# Allegro board meta_carrier_lay_rev1.brd (continued)
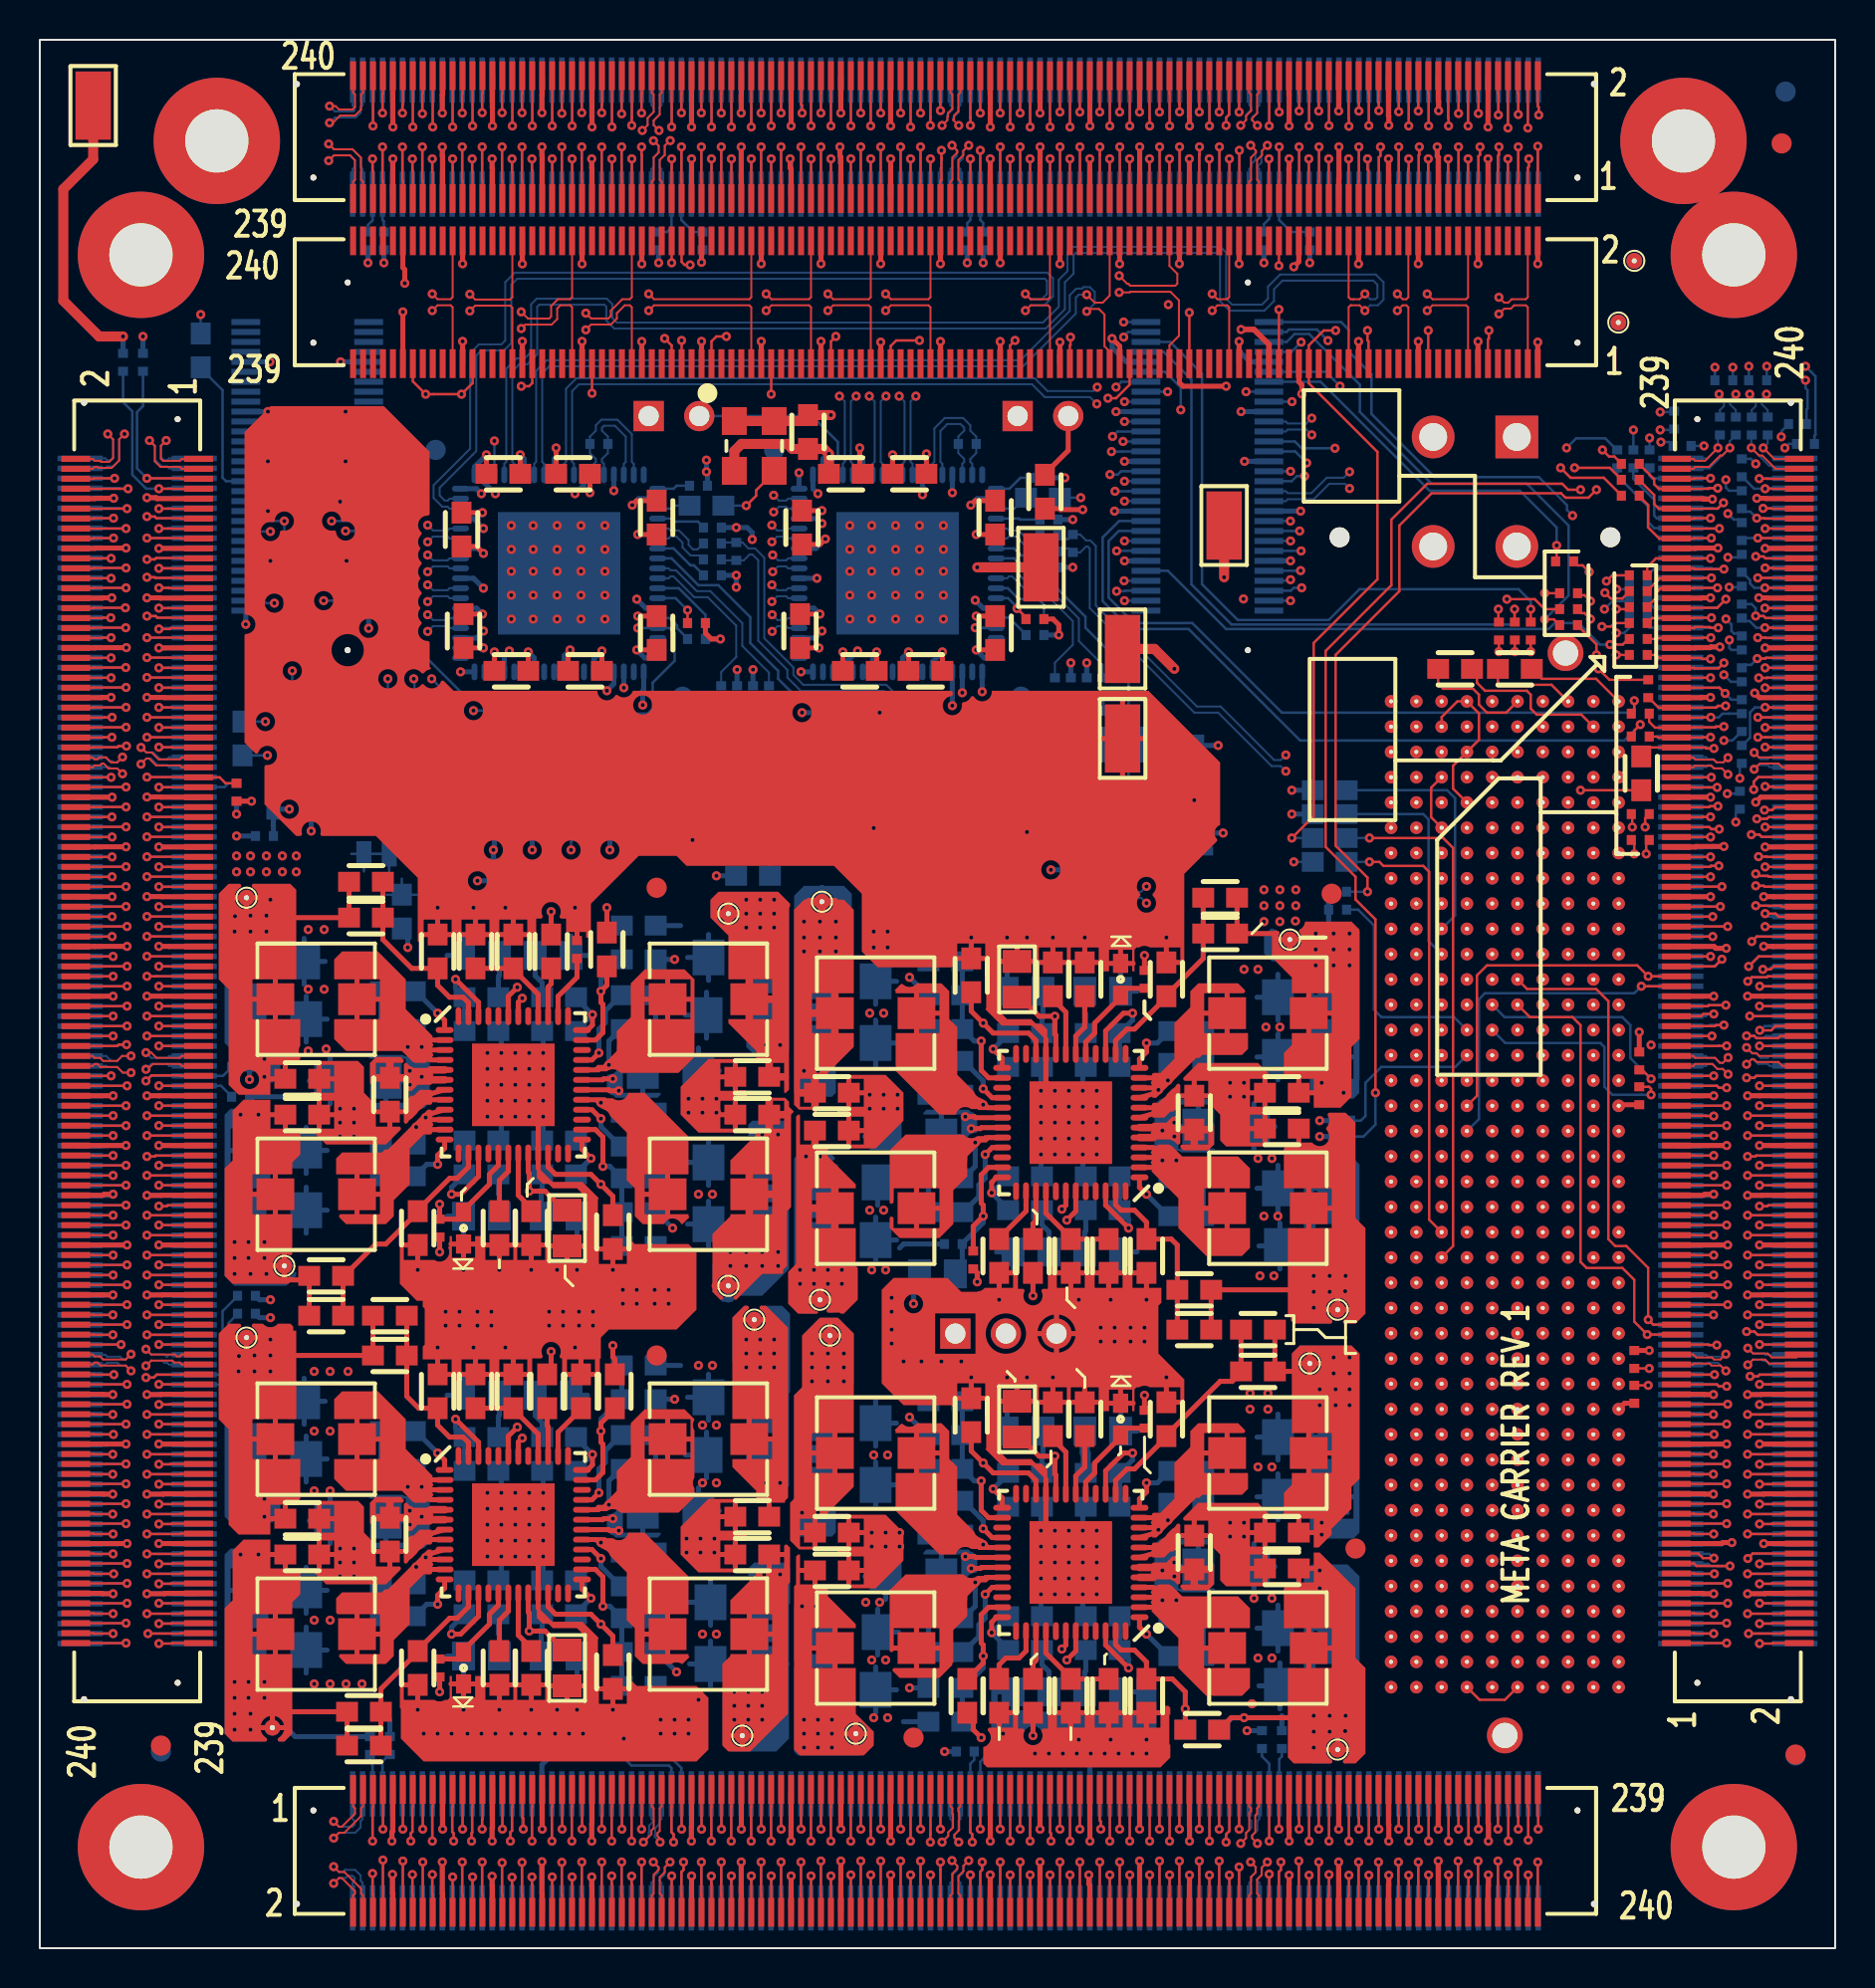
[diagram p0: board, top side]
## Routing (per net, layer and track width the routed paths; a pad name or vN(x,y) marks a point on that pad's centre or on a via; arc(x,y) is an arc through that point) (continued)
VDDA_Q1: length 3.2
  TOP w0.254: U2.19 24.03,37.83 24.68,37.18 C39.1
VDDA_Q2: length 3.2
  TOP w0.254: C51.1 50.88,25.58 51.53,24.93 U5.19
VDDA_Q4: length 3.2
  TOP w0.254: C64.1 24.68,15.08 24.03,15.73 U4.19
VDDA_Q8: length 3.2
  TOP w0.254: C26.1 50.88,47.68 51.53,47.03 U3.19
VDDD_Q1: length 27
  TOP w0.254: U2.20 24.53,38.99 24.58,38.94 v1(24.58,38.04) 25.37,38.04 26.33,37.08 C40.1 ; v1(20.08,34.98) R17.2 ; v1(25.68,52.08) R11.2
  SIGNAL_L10 w0.254: v1(25.68,52.08) 26.48,51.28 26.48,39.94 v1(24.58,38.04) 21.52,34.98 v1(20.08,34.98)
VDDD_Q2: length 29
  TOP w0.254: U5.20 51.03,23.77 50.98,23.82 v1(50.98,24.72) 50.19,24.72 49.23,25.68 C50.1 ; v1(49.88,10.68) R38.2 ; v1(55.48,27.78) R33.2
  SIGNAL_L3 w0.254: v1(49.88,10.68) 54.18,14.98 54.18,21.52 v1(50.98,24.72) 52.24,25.98 53.68,25.98 v1(55.48,27.78)
VDDD_Q4: length 26.9
  TOP w0.254: C65.1 26.33,14.98 25.37,15.94 v1(24.58,15.94) 24.58,16.84 24.53,16.89 U4.20 ; R30.2 25.68,29.03 v1(25.68,29.98) ; v1(20.08,12.88) R36.2
  SIGNAL_L3 w0.254: v1(20.08,12.88) 21.52,12.88 v1(24.58,15.94) 26.18,17.54 26.18,29.48 v1(25.68,29.98)
VDDD_Q8: length 26.7
  TOP w0.254: U3.20 51.03,45.87 50.98,45.92 v1(50.98,46.82) 50.19,46.82 49.23,47.78 C25.1 ; v1(49.88,32.78) R19.2 ; v1(55.48,49.88) R12.2
  SIGNAL_L10 w0.254: v1(55.48,49.88) 54.04,49.88 v1(50.98,46.82) 49.48,45.32 49.48,33.18 v1(49.88,32.78)
VDDG_Q1: length 3.1
  TOP w0.254: U2.18 23.53,39.03 23.08,38.58 C38.1
VDDG_Q2: length 3.1
  TOP w0.254: C52.1 52.48,24.18 52.03,23.73 U5.18
VDDG_Q4: length 3.1
  TOP w0.254: C63.1 23.08,16.48 23.53,16.93 U4.18
VDDG_Q8: length 3.1
  TOP w0.254: C27.1 52.48,46.28 52.03,45.83 U3.18
1P8V: length 49.8
  TOP w0.254: C9.1 21.93,70.43 v1(22.28,70.08) ; C3.1 v1(25.93,75.38) ; C8.1 39.18,70.53 v1(39.45,70.8) ; C5.1 v1(42.83,75.03) ; C18.1 v1(42.03,65.13) ; C16.1 v1(24.53,65.13) ; C13.1 v1(39.18,67.03) ; C12.1 v1(22.23,67.03)
  TOP w0.381: 35.63,36.83 L6.2 ; L6.2 36.83,37.88 ; L6.2 35.63,38.93 ; TP8.1 35.23,33.28 ; TP8.1 33.93,33.28 ; TP8.1 34.58,33.93 ; C35.1 36.63,42.63 ; C35.1 36.63,41.13 ; C35.1 37.43,41.88
  TOP w0.508: v1(47.08,69.38) TP23.1
  SIGNAL_L12 w0.254: TP8.1 34.58,33.93 ; TP8.1 33.93,33.28 ; TP8.1 35.23,33.28
  BOTTOM w0.254: U7.69 v1(45.83,73.13) ; U7.54 v1(38.13,74.13) ; U7.48 38.98,70.33 v1(39.45,70.8) ; U7.36 v1(38.23,64.13) ; v1(18.48,50.28) 18.48,50.93 R125.1 ; U7.63 v1(42.83,75.03) ; U10.42 21.93,67.33 v1(22.23,67.03) ; U10.54 21.93,73.33 v1(22.18,73.08) ; C154.1 R103.2 30.98,36.98 v1(31.78,36.18) ; v1(39.18,67.03) 38.88,67.33 U7.42 ; U10.30 24.83,64.83 v1(24.53,65.13) ; v1(22.28,70.08) 22.03,70.33 U10.48 ; U10.69 v1(28.83,73.23) ; v1(25.93,75.38) 25.93,74.92 25.83,74.82 U10.63 ; v1(42.03,65.13) 41.83,64.93 U7.30 ; U9.1 v1(28.63,55.18) ; U10.36 v1(21.13,64.13)
  BOTTOM w0.381: TP8.1 34.58,33.93 ; TP8.1 34.58,32.63 ; TP8.1 35.23,33.28 ; 36.38,35.23 C138.1 ; C138.1 37.43,36.38 ; C138.1 36.38,37.53 ; C137.1 37.43,39.48 ; C137.1 36.38,38.33 ; C137.1 36.38,40.63
  vias: v1(34.68,34.98) v1(34.68,34.28) v1(35.48,34.98) v1(35.48,34.28) v1(36.28,40.88) v1(36.28,34.98) v1(36.28,34.28) v1(37.08,40.88) v1(37.08,34.98) v1(37.08,34.28)
2P5V: length 24.1
  TOP w0.381: C30.1 38.93,43.73 ; C30.1 38.93,42.23 ; C30.1 38.13,42.98 ; L3.2 39.93,48.03 ; L3.2 38.73,46.98 ; L3.2 39.93,45.93 ; 38.63,52.58 TP4.1 ; TP4.1 39.28,51.93 ; TP4.1 39.93,52.58
  SIGNAL_L3 w0.508: v1(43.68,48.78) 41.28,48.78 v1(39.98,50.08)
  BOTTOM w0.254: v1(43.68,48.78) 44.58,47.88 R81.2 C113.1
  BOTTOM w0.381: TP4.1 39.93,52.58 ; TP4.1 38.63,52.58 ; TP4.1 39.28,51.93 ; TP4.1 39.28,53.23 ; 39.18,44.33 C126.1 ; C126.1 39.18,46.63 ; C126.1 38.13,45.48 ; 39.18,47.43 C125.1 ; C125.1 38.13,48.58 ; C125.1 39.18,49.73
  vias: v1(38.38,51.58) v1(38.38,50.78) v1(38.38,50.08) v1(38.38,44.08) v1(39.08,44.08) v1(39.18,51.58) v1(39.18,50.78) v1(39.18,50.08) v1(39.98,51.58) v1(39.98,50.78)
3P3V: length 80.4
  TOP w0.254: v1(29.76,72.5) 29.98,72.73 C6.1 ; C22.1 v1(28.48,52.28) ; C2.1 v1(24.13,75.03) ; v1(41.18,75.38) 41.18,74.23 C4.1 ; C14.1 v1(29.98,65.23) ; v1(46.75,72.5) 46.98,72.73 C7.1 ; C19.1 v1(43.63,65.13) ; v1(26.63,65.23) 26.53,65.13 C17.1 ; C15.1 v1(47.03,65.23)
  TOP w0.381: 35.63,46.63 L2.2 ; L2.2 36.83,47.68 ; L2.2 35.63,48.73 ; 37.43,43.78 C28.1 36.63,44.53 ; TP5.1 34.58,52.63 ; TP5.1 35.23,51.98 ; TP5.1 34.58,51.33 ; TP5.1 33.93,51.98
  TOP w0.508: v1(56.98,64.28) 55.98,65.28 TP22.1 ; U1.1 U1.4 38.28,76.73 C1.1 v1(39.73,77.03)
  SIGNAL_L3 w0.254: TP5.1 35.13,51.98 ; TP5.1 34.58,52.53 ; TP5.1 34.58,51.43 ; TP5.1 34.03,51.98 ; 30.58,75.97 J13.1 ; J13.1 31.59,76.98 ; J13.1 29.57,76.98
  BOTTOM w0.254: U7.55 38.83,73.33 v1(39.08,73.08) ; U7.60 41.33,74.77 41.18,74.92 v1(41.18,75.38) ; U10.66 27.33,73.53 v1(26.88,73.08) ; v1(39.28,66.18) 38.93,65.83 U7.39 ; v1(38.28,62.08) C131.1 39.43,61.94 39.26,61.77 U8.6 ; U10.45 21.78,68.83 v1(22.28,68.33) ; U7.2 47.08,72.83 v1(46.75,72.5) ; U10.39 21.93,65.83 v1(22.28,66.18) ; U13.1 v1(13.63,56.13) ; U6.6 57.12,60.48 57.17,60.43 C82.1 v1(59.18,60.43) ; R135.1 v1(9.88,55.88) ; v1(26.63,65.23) 26.33,64.93 U10.27 ; U7.33 40.33,64.44 v1(41.07,65.18) ; U10.56 22.33,73.63 v1(22.88,73.08) ; v1(46.98,67.73) 47.38,67.33 U7.13 ; U7.18 47.43,64.83 v1(47.03,65.23) ; U10.18 30.38,64.83 v1(29.98,65.23) ; U7.51 39.03,71.83 v1(39.28,71.58) ; U11.1 v1(24.73,55.18) ; R65.2 v1(50.78,54.18) ; U10.2 30.08,72.83 v1(29.76,72.5) ; v1(43.63,65.13) 43.33,64.83 U7.27 ; R120.1 v1(21.98,53.63) ; v1(24.13,75.03) 24.33,74.83 U10.60 ; R93.2 v1(33.98,53.88) ; R100.2 v1(31.88,49.68) ; v1(29.98,67.78) 30.43,67.33 U10.13 ; v1(22.28,71.33) 21.78,71.83 U10.51 ; U7.66 v1(44.33,73.03) ; v1(23.58,65.18) 23.33,64.93 U10.33 ; U7.45 v1(39.03,68.83)
  BOTTOM w0.381: 36.38,48.63 C136.1 ; C136.1 37.43,49.78 ; C136.1 36.38,50.93 ; 34.58,51.33 TP5.1 ; TP5.1 35.23,51.98 ; TP5.1 34.58,52.63 ; TP5.1 33.93,51.98 ; C140.1 37.33,46.88 ; C140.1 36.28,48.03 ; C140.1 36.28,45.73
  vias: v1(35.48,52.68) v1(35.48,51.98) v1(35.48,51.28) v1(36.18,52.68) v1(36.18,51.98) v1(36.18,51.28) v1(36.48,45.38) v1(36.88,52.68) v1(36.88,51.98) v1(36.88,51.28) v1(37.18,45.38)
5P0V: length 20.8
  TOP w0.254: v1(47.08,33.48) 47.08,33.93 R22.2
  TOP w0.381: TP9.1 39.83,32.58 ; TP9.1 38.53,32.58 ; TP9.1 39.18,33.23 ; L7.2 39.93,38.23 ; L7.2 39.93,36.13 ; L7.2 38.73,37.18 ; 38.93,40.33 C37.1
  SIGNAL_L5 w0.254: 38.63,32.58 TP9.1 ; TP9.1 39.73,32.58 ; TP9.1 39.18,33.13 ; TP9.1 39.18,32.03
  BOTTOM w0.254: v1(43.88,32.38) 43.88,33.58 C119.1 ; J14.1 v1(16.52,66.32) ; J14.2 v1(10.34,66.52)
  BOTTOM w0.381: 39.28,37.33 C123.1 ; C123.1 38.23,38.48 ; C123.1 39.28,39.63 ; TP9.1 39.83,32.58 ; TP9.1 38.53,32.58 ; TP9.1 39.18,33.23 ; C127.1 39.18,36.73 ; C127.1 39.18,34.43 ; C127.1 38.13,35.58
  vias: v1(38.18,34.08) v1(38.18,33.38) v1(38.48,39.78) v1(38.88,34.08) v1(38.88,33.38) v1(39.18,39.78) v1(39.58,34.08) v1(39.58,33.38) v1(40.28,34.08) v1(40.28,33.38)
12P0V: length 92.5
  TOP w0.254: U3.31 47.29,41.23 47.24,41.18 v1(46.78,41.18) ; U3.22 50.03,45.61 49.66,45.98 47.88,45.98 v1(47.38,46.48) 46.78,47.08 C24.1 ; U2.30 28.57,43.13 28.62,43.08 v1(29.08,43.08) ; R1.1 51.21,72.33 51.26,72.28 v1(52.38,72.28) ; U2.22 25.53,39.25 25.9,38.88 27.68,38.88 v1(28.18,38.38) 28.78,37.78 C41.1 ; U5.30 46.99,19.63 46.94,19.68 v1(46.48,19.68) ; U4.30 28.57,21.03 28.62,20.98 v1(29.08,20.98) ; v1(28.78,21.58) 28.32,21.58 28.27,21.53 U4.31 ; v1(46.78,19.08) 47.24,19.08 47.29,19.13 U5.31 ; U5.22 50.03,23.51 49.66,23.88 47.88,23.88 v1(47.38,24.38) 46.78,24.98 C49.1 ; C66.1 28.78,15.68 v1(28.18,16.28) 27.68,16.78 25.9,16.78 25.53,17.15 U4.22 ; v1(28.78,43.68) 28.32,43.68 28.27,43.63 U2.31 ; v1(46.48,41.78) 46.94,41.78 46.99,41.73 U3.30
  TOP w0.381: 19.63,43.63 U2.6 ; 19.63,44.13 U2.5 ; C32.1 18.33,43.73 ; C32.1 17.58,44.53 ; C32.1 16.83,43.73 ; 19.63,22.03 U4.5 ; 57.98,40.33 C33.1 ; C33.1 58.73,41.13 ; C33.1 57.23,41.13 ; C57.1 17.58,22.43 ; C57.1 18.33,21.63 ; C57.1 16.83,21.63 ; 57.98,18.23 C58.1 ; C58.1 58.73,19.03 ; C58.1 57.23,19.03 ; U5.5 55.93,18.63 ; 19.63,21.53 U4.6 ; U5.6 55.93,19.13 ; U3.6 55.93,41.23 ; U3.5 55.93,40.73
  TOP w0.508: TP21.1 v1(59.48,68.88)
  SIGNAL_L10 w0.254: J7.3 74.18,71.76 ; J7.3 72.85,70.43 ; J7.3 75.51,70.43 ; J7.3 74.18,69.1 ; J7.4 69.98,71.76 ; J7.4 68.65,70.43 ; J7.4 69.98,69.1 ; J7.4 71.31,70.43
  BOTTOM w0.254: C120.1 46.33,40.78 ; C120.1 45.28,41.93 ; C120.1 45.28,39.63 ; 29.23,21.98 C151.1 ; C151.1 30.28,20.83 ; C151.1 30.28,23.13 ; 45.28,17.53 C121.1 ; C121.1 46.33,18.68 ; C121.1 45.28,19.83 ; C179.1 18.43,21.48 ; C179.1 17.38,22.63 ; C179.1 17.38,20.33 ; 29.23,44.08 C150.1 ; C150.1 30.28,42.93 ; C150.1 30.28,45.23 ; 57.13,19.18 C80.1 ; C80.1 58.18,20.33 ; C80.1 58.18,18.03 ; C178.1 18.43,43.58 ; C178.1 17.38,42.43 ; C178.1 17.38,44.73 ; C79.1 58.18,42.43 ; C79.1 58.18,40.13 ; C79.1 57.13,41.28
  vias: v1(18.58,44.08) v1(18.58,43.38) v1(18.58,21.98) v1(18.58,21.28) v1(19.18,43.78) v1(19.18,21.68) v1(56.38,41.08) v1(56.38,18.98) v1(56.98,41.48) v1(56.98,40.78) v1(56.98,19.38) v1(56.98,18.68)
CB1_Q1: length 2.6
  TOP w0.254: U2.1 20.33,46.63 v1(19.98,46.98)
  BOTTOM w0.254: v1(19.98,46.98) 18.88,48.08 R126.1
CB1_Q2: length 2.6
  TOP w0.254: v1(55.58,15.78) 55.23,16.13 U5.1
  BOTTOM w0.254: v1(55.58,15.78) 56.68,14.68 R59.1
CB1_Q4: length 2.6
  TOP w0.254: U4.1 20.33,24.53 v1(19.98,24.88)
  BOTTOM w0.254: v1(19.98,24.88) 18.88,25.98 R128.1
CB1_Q8: length 2.6
  TOP w0.254: U3.1 55.23,38.23 v1(55.58,37.88)
  BOTTOM w0.254: v1(55.58,37.88) 56.68,36.78 R57.1
CB2_Q1: length 2.8
  TOP w0.254: U2.12 20.33,40.19 19.98,39.84 v1(19.98,39.38)
  BOTTOM w0.254: v1(19.98,39.38) 19.43,39.38 R127.1
CB2_Q2: length 2.8
  TOP w0.254: v1(55.58,23.38) 55.58,22.92 55.23,22.57 U5.12
  BOTTOM w0.254: v1(55.58,23.38) 56.13,23.38 R58.1
CB2_Q4: length 2.8
  TOP w0.254: v1(19.98,17.28) 19.98,17.74 20.33,18.09 U4.12
  BOTTOM w0.254: v1(19.98,17.28) 19.43,17.28 R129.1
CB2_Q8: length 2.8
  TOP w0.254: U3.12 55.23,44.67 55.58,45.02 v1(55.58,45.48)
  BOTTOM w0.254: v1(55.58,45.48) 56.13,45.48 R56.1
CB3_Q1: length 3
  TOP w0.254: U2.28 27.73,42.13 v1(28.18,41.68)
  BOTTOM w0.254: v1(28.18,41.68) 28.18,41.28 29.18,40.28 R102.1
CB3_Q2: length 3
  TOP w0.254: U5.28 47.83,20.63 v1(47.38,21.08)
  BOTTOM w0.254: v1(47.38,21.08) 47.38,21.48 46.38,22.48 R86.1
CB3_Q4: length 3
  TOP w0.254: v1(28.18,19.58) 27.73,20.03 U4.28
  BOTTOM w0.254: v1(28.18,19.58) 28.18,19.18 29.18,18.18 R108.1
CB3_Q8: length 3
  TOP w0.254: v1(47.38,43.18) 47.83,42.73 U3.28
  BOTTOM w0.254: R82.1 46.38,44.58 47.38,43.58 v1(47.38,43.18)
CB4_Q1: length 4.4
  TOP w0.254: v1(28.08,44.98) 27.73,44.63 U2.33
  BOTTOM w0.254: v1(28.08,44.98) 28.08,46.18 28.4,46.5 28.4,47.1 29.18,47.88 R101.1
CB4_Q2: length 4.4
  TOP w0.254: U5.33 47.83,18.13 v1(47.48,17.78)
  BOTTOM w0.254: R87.1 46.38,14.88 47.16,15.66 47.16,16.26 47.48,16.58 v1(47.48,17.78)
CB4_Q4: length 4.4
  TOP w0.254: U4.33 27.73,22.53 v1(28.08,22.88)
  BOTTOM w0.254: R107.1 29.18,25.78 28.4,25 28.4,24.4 28.08,24.08 v1(28.08,22.88)
CB4_Q8: length 4.4
  TOP w0.254: U3.33 47.83,40.23 v1(47.48,39.88)
  BOTTOM w0.254: v1(47.48,39.88) 47.48,38.68 47.16,38.36 47.16,37.76 46.38,36.98 R83.1
CLK_N0: length 44.8
  TOP w0.102: v1(73.28,82.11) 73.55,82.38 73.88,82.38 74.05,82.55 74.63,82.55 74.73,82.44 J2.3
  SIGNAL_L3 w0.081: v1(43.16,77.98) 43.41,78.23 43.41,78.71 43.98,79.28 68.61,79.28 71.38,82.05 71.38,82.58 72.66,83.86 73.77,83.86 74.28,83.35 74.28,82.81 73.83,82.36 73.53,82.36 v1(73.28,82.11)
  BOTTOM w0.102: U7.64 43.33,74.58 43.43,74.68 43.43,77.71 v1(43.16,77.98)
CLK_N1: length 29.3
  TOP w0.102: J2.63 59.73,82.44 59.63,82.55 59.15,82.55 v1(58.88,82.28)
  SIGNAL_L3 w0.081: v1(58.88,82.28) 59.13,82.53 59.36,82.53 59.59,82.3 59.59,81.58 58.11,80.1 43.23,80.1 41.91,78.78 41.91,78.23 v1(41.66,77.98)
  BOTTOM w0.102: v1(41.66,77.98) 41.93,77.71 41.93,74.68 41.83,74.58 U7.61
CLK_N2: length 46
  TOP w0.102: J2.15 71.73,82.44 71.63,82.55 69.95,82.55 v1(69.68,82.28)
  SIGNAL_L3 w0.081: v1(69.68,82.28) 69.93,82.53 70.5,82.53 70.78,82.81 70.78,83.58 70.38,83.98 63.61,83.98 63.04,83.41 62.04,83.41 61.44,82.81 60.36,82.81 59.29,83.88 55.76,83.88 54.46,82.58 54.08,82.58 53.26,81.76 43.89,81.76 42.34,80.21 41.31,80.21 40.41,79.31 40.41,78.23 v1(40.16,77.98)
  BOTTOM w0.102: U7.58 40.33,74.58 40.43,74.68 40.43,77.71 v1(40.16,77.98)
CLK_N3: length 34.8
  TOP w0.102: J2.75 56.73,80.53 57.21,81.01 57.21,82.8 56.78,83.23 54.76,83.23 54.73,83.19 v1(54.21,83.19)
  SIGNAL_L3 w0.081: v1(54.21,83.19) 54.15,83.19 54.13,83.21 53.87,83.21 52.9,84.18 47.61,84.18 45.74,82.31 43.04,82.31 42.21,81.48 41.11,81.48 35.86,76.23 35.86,72.69 36.14,72.41 36.6,72.41 v1(36.86,72.16)
  BOTTOM w0.102: U7.52 37.58,72.33 37.48,72.43 37.12,72.43 v1(36.86,72.16)
CLK_N4: length 29.7
  TOP w0.102: J2.123 44.73,82.44 44.63,82.55 42.75,82.55 v1(42.48,82.28)
  SIGNAL_L3 w0.081: v1(36.77,70.66) 36.51,70.91 36.15,70.91 36.15,70.93 35.33,71.75 34.97,71.75 34.65,72.08 34.65,72.85 35.08,73.28 35.08,78.45 38.44,81.81 40.54,81.81 41.15,82.42 41.15,83.62 41.54,84.01 43.12,84.01 43.58,83.55 43.58,82.88 43.23,82.53 42.73,82.53 v1(42.48,82.28)
  BOTTOM w0.102: U7.49 37.58,70.83 37.48,70.93 37.03,70.93 v1(36.77,70.66)
CLK_N5: length 27.7
  TOP w0.102: v1(27.42,81.31) 27.69,81.58 28.68,81.58 28.98,81.88 28.98,82.15 29.38,82.55 29.63,82.55 29.73,82.44 J2.183
  SIGNAL_L12 w0.081: v1(36.81,69.16) 36.55,69.41 35.55,69.41 34.02,70.94 34.02,80.04 33.65,80.41 33.65,81.11 33.19,81.57 27.68,81.57 v1(27.42,81.31)
  BOTTOM w0.102: U7.46 37.58,69.33 37.48,69.43 37.08,69.43 v1(36.81,69.16)
CLK_N6: length 31.7
  TOP w0.102: v1(39.58,82.28) 39.85,82.55 41.63,82.55 41.73,82.44 J2.135
  SIGNAL_L3 w0.081: v1(39.58,82.28) 39.83,82.53 40.52,82.53 40.88,82.9 40.88,83.38 40.25,84.01 38.74,84.01 38.15,83.42 38.15,82.72 37.11,81.68 35.88,81.68 34.25,80.05 34.25,73.62 33.85,73.22 33.85,71.01 35.35,69.51 35.35,68.61 36.04,67.91 36.51,67.91 v1(36.77,67.66)
  BOTTOM w0.102: v1(36.77,67.66) 37.03,67.93 37.48,67.93 37.58,67.83 U7.43
CLK_N7: length 31.3
  TOP w0.102: J2.195 26.73,82.44 26.63,82.55 26.15,82.55 25.98,82.38 25.98,81.86 25.7,81.58 24.38,81.58 v1(24.18,81.38)
  SIGNAL_L12 w0.081: v1(36.78,66.16) 36.53,66.42 35.55,66.42 31.75,70.21 31.75,77.84 30.14,79.45 27.04,79.45 24.87,81.62 24.42,81.62 v1(24.18,81.38)
  BOTTOM w0.102: U7.40 37.58,66.33 37.48,66.43 37.05,66.43 v1(36.78,66.16)
CLK_N8: length 54.7
  TOP w0.102: J2.27 68.73,82.44 68.63,82.55 68.45,82.55 v1(68.18,82.28)
  SIGNAL_L12 w0.081: v1(68.18,82.28) 67.89,82.57 67.64,82.57 67.51,82.44 67.51,80.71 66.68,79.88 53.26,79.88 52.43,79.05 52.43,78.51 52.51,78.43 v1(53.11,78.43)
  BOTTOM w0.102: U10.64 26.33,74.58 26.43,74.68 26.43,78.36 26.95,78.88 49.96,78.88 50.6,78.24 52.91,78.24 v1(53.11,78.43)
CLK_N9: length 40.4
  TOP w0.102: J2.87 53.73,80.23 53.47,80.49 53.47,82.08 53.19,82.36 52.7,82.36 v1(52.58,82.24)
  BOTTOM w0.102: U10.61 24.83,74.58 24.93,74.68 24.93,79.26 25.45,79.78 49.25,79.78 51.73,82.26 51.73,83.05 52.06,83.38 52.35,83.38 52.42,83.46 52.74,83.46 52.98,83.22 52.98,82.64 v1(52.58,82.24)
CLK_N10: length 65.6
  TOP w0.102: J2.39 65.73,82.44 65.83,82.55 65.85,82.55 66.28,82.55 v1(66.55,82.28)
  BOTTOM w0.102: v1(66.55,82.28) 66.82,82.55 67.2,82.55 67.48,82.83 67.48,83.71 67.1,84.09 62.29,84.09 61.68,83.48 61.68,82.88 61.38,82.58 59.88,82.58 59.58,82.88 59.58,85.2 59.3,85.48 51.89,85.48 51.61,85.2 51.61,84.26 51.18,83.83 51.18,82.47 50.38,81.68 28.98,81.68 28.76,81.9 28.76,82.6 28.48,82.88 24.96,82.88 24.68,82.6 24.68,80.21 24.35,79.88 23.95,79.88 23.43,79.36 23.43,74.68 23.33,74.58 U10.58
CLK_N11: length 49.2
  TOP w0.102: v1(49.5,82.28) 49.77,82.55 50.63,82.55 50.73,82.44 J2.99
  BOTTOM w0.102: U10.52 20.58,72.33 20.48,72.43 20.21,72.43 19.78,72.86 19.78,73.51 21.61,75.34 21.61,80.15 22.05,80.58 23.18,80.58 23.38,80.78 23.38,83.71 23.85,84.18 50.6,84.18 50.88,83.9 50.88,82.98 50.45,82.55 49.77,82.55 v1(49.5,82.28)
CLK_N12: length 40
  TOP w0.102: v1(36.48,82.28) 36.75,82.55 38.63,82.55 38.73,82.44 J2.147
  SIGNAL_L3 w0.081: v1(19.48,70.66) 19.23,70.91 18.68,70.91 18.36,71.23 18.36,79.06 20.98,81.68 22.21,81.68 24.74,84.21 32.5,84.21 32.51,84.2 32.81,84.2 32.82,84.21 32.83,84.21 37.02,84.21 37.61,83.62 37.61,82.91 37.23,82.53 36.73,82.53 v1(36.48,82.28)
  BOTTOM w0.102: v1(19.48,70.66) 19.75,70.93 20.48,70.93 20.58,70.83 U10.49
CLK_N13: length 28.5
  TOP w0.102: J2.207 23.73,82.43 23.63,82.53 21.86,82.53 v1(21.6,82.26)
  SIGNAL_L3 w0.081: v1(19.48,69.16) 19.23,69.41 18.12,69.41 17.35,70.19 17.35,79.55 19.41,81.61 19.84,81.61 20.88,82.65 20.88,83.55 21.31,83.98 22.08,83.98 22.58,83.48 22.58,82.79 22.31,82.52 21.85,82.52 v1(21.6,82.26)
  BOTTOM w0.102: U10.46 20.58,69.33 20.48,69.43 19.75,69.43 v1(19.48,69.16)
CLK_N14: length 41.8
  TOP w0.102: J2.159 35.73,82.44 35.63,82.55 30.85,82.55 v1(30.58,82.28)
  SIGNAL_L12 w0.081: v1(30.58,82.28) 30.83,82.53 31.23,82.53 31.58,82.88 31.58,83.55 30.87,84.25 21.55,84.25 20.45,83.15 20.45,82.15 17.45,79.15 17.45,68.84 18.38,67.91 19.23,67.91 v1(19.48,67.66)
  BOTTOM w0.102: U10.43 20.58,67.83 20.48,67.93 19.75,67.93 v1(19.48,67.66)
CLK_N15: length 30.5
  TOP w0.102: v1(19.71,82.28) 19.98,82.55 20.63,82.55 20.73,82.44 J2.219
  SIGNAL_L3 w0.081: v1(19.71,82.28) 19.96,82.53 20.23,82.53 20.58,82.88 20.58,83.68 20.15,84.11 19.31,84.11 18.31,83.11 17.84,83.11 16.25,81.52 16.25,68.61 18.45,66.41 19.23,66.41 v1(19.48,66.16)
  BOTTOM w0.102: v1(19.48,66.16) 19.75,66.43 20.48,66.43 20.58,66.33 U10.40
CLK_P0: length 43.2
  TOP w0.102: J2.4 74.73,82.95 74.63,82.85 73.92,82.85 73.75,82.68 73.55,82.68 v1(73.28,82.95)
  SIGNAL_L3 w0.081: v1(44,77.98) 43.75,78.23 43.75,78.58 44.12,78.95 68.75,78.95 71.71,81.91 71.71,82.44 72.8,83.53 73.63,83.53 73.95,83.21 73.95,82.95 73.69,82.69 73.53,82.69 v1(73.28,82.95)
  BOTTOM w0.102: v1(44,77.98) 43.73,77.71 43.73,74.68 43.83,74.58 U7.65
CLK_P1: length 29.9
  TOP w0.102: J2.64 59.73,82.95 59.63,82.85 59.15,82.85 v1(58.88,83.12)
  SIGNAL_L3 w0.081: v1(58.88,83.12) 59.13,82.86 59.5,82.86 59.92,82.44 59.92,81.44 58.25,79.77 43.37,79.77 42.25,78.65 42.25,78.23 v1(42.5,77.98)
  BOTTOM w0.102: U7.62 42.33,74.58 42.23,74.68 42.23,77.71 v1(42.5,77.98)
CLK_P2: length 44.4
  TOP w0.102: J2.16 71.73,82.95 71.63,82.85 69.95,82.85 v1(69.68,83.12)
  SIGNAL_L3 w0.081: v1(41,77.98) 40.75,78.23 40.75,79.18 41.45,79.88 42.48,79.88 44.03,81.43 53.4,81.43 54.22,82.25 54.6,82.25 55.9,83.55 59.15,83.55 60.22,82.48 61.58,82.48 62.18,83.08 63.18,83.08 63.75,83.65 70.24,83.65 70.45,83.44 70.45,82.95 70.36,82.86 69.93,82.86 v1(69.68,83.12)
  BOTTOM w0.102: U7.59 40.83,74.58 40.73,74.68 40.73,77.71 v1(41,77.98)
CLK_P3: length 34.5
  TOP w0.102: v1(54.21,84.03) 54.62,83.62 54.67,83.62 54.77,83.53 57.03,83.53 57.13,83.63 57.13,84.13 56.73,84.53 J2.76
  SIGNAL_L3 w0.081: v1(36.86,73) 36.6,72.75 36.27,72.75 36.19,72.83 36.19,76.09 41.25,81.15 42.35,81.15 43.18,81.98 45.88,81.98 47.75,83.85 52.76,83.85 53.73,82.88 54,82.88 54.06,82.82 54.06,82.82 54.08,82.8 54.43,82.8 54.78,83.15 54.78,83.46 v1(54.21,84.03)
  BOTTOM w0.102: v1(36.86,73) 37.12,72.73 37.48,72.73 37.58,72.83 U7.53
CLK_P4: length 27.5
  TOP w0.102: J2.124 44.73,82.95 44.63,82.85 42.75,82.85 v1(42.48,83.12)
  SIGNAL_L3 w0.081: v1(36.77,71.5) 36.51,71.25 36.31,71.25 35.47,72.08 35.11,72.08 34.98,72.21 34.98,72.71 35.41,73.14 35.41,78.31 38.58,81.48 40.68,81.48 41.48,82.28 41.48,83.48 41.68,83.68 42.98,83.68 43.25,83.41 43.25,83.02 43.1,82.86 42.73,82.86 v1(42.48,83.12)
  BOTTOM w0.102: U7.50 37.58,71.33 37.48,71.23 37.03,71.23 v1(36.77,71.5)
CLK_P5: length 27.7
  TOP w0.102: J2.184 29.73,82.95 29.63,82.85 29.25,82.85 28.68,82.27 28.68,82.01 28.55,81.88 27.69,81.88 v1(27.42,82.15)
  SIGNAL_L12 w0.081: v1(36.81,70) 36.55,69.75 35.68,69.75 34.35,71.07 34.35,80.17 33.98,80.55 33.98,81.25 33.33,81.9 27.68,81.9 v1(27.42,82.15)
  BOTTOM w0.102: U7.47 37.58,69.83 37.48,69.73 37.38,69.73 37.08,69.73 v1(36.81,70)
CLK_P6: length 29.5
  TOP w0.102: v1(39.58,83.12) 39.85,82.85 41.63,82.85 41.73,82.95 J2.136
  SIGNAL_L3 w0.081: v1(39.58,83.12) 39.83,82.86 40.38,82.86 40.55,83.03 40.55,83.24 40.11,83.68 38.88,83.68 38.48,83.28 38.48,82.58 37.25,81.35 36.02,81.35 34.58,79.91 34.58,73.48 34.18,73.08 34.18,71.15 35.68,69.65 35.68,68.74 36.18,68.25 36.51,68.25 v1(36.77,68.5)
  BOTTOM w0.102: v1(36.77,68.5) 37.03,68.23 37.34,68.23 37.48,68.23 37.58,68.33 U7.44
CLK_P7: length 31.4
  TOP w0.102: J2.196 26.73,82.95 26.63,82.85 26.02,82.85 25.68,82.51 25.68,81.98 25.58,81.88 24.52,81.88 v1(24.18,82.22)
  SIGNAL_L12 w0.081: v1(24.18,82.22) 24.44,81.95 25.01,81.95 27.18,79.78 30.28,79.78 32.08,77.98 32.08,70.35 35.68,66.75 36.53,66.75 v1(36.78,67)
  BOTTOM w0.102: v1(36.78,67) 37.05,66.73 37.48,66.73 37.58,66.83 U7.41
CLK_P8: length 55.7
  TOP w0.102: v1(68.18,83.12) 68.45,82.85 68.63,82.85 68.73,82.95 J2.28
  SIGNAL_L12 w0.081: v1(53.09,77.59) 52.61,77.59 52.1,78.1 52.1,79.19 53.13,80.21 66.55,80.21 67.18,80.85 67.18,82.58 67.5,82.9 67.96,82.9 v1(68.18,83.12)
  BOTTOM w0.102: v1(53.09,77.59) 52.74,77.93 50.48,77.93 49.83,78.58 27.08,78.58 26.73,78.23 26.73,74.68 26.83,74.58 U10.65
CLK_P9: length 38.8
  TOP w0.102: v1(52.58,83.08) 52.98,82.68 53.38,82.68 53.73,83.03 J2.88
  BOTTOM w0.102: v1(52.58,83.08) 52.18,83.08 52.03,82.93 52.03,82.13 49.38,79.48 25.58,79.48 25.23,79.13 25.23,74.68 25.33,74.58 U10.62
CLK_P10: length 64.1
  TOP w0.102: v1(66.55,83.12) 66.28,82.85 65.98,82.85 65.83,82.85 65.73,82.95 J2.40
  BOTTOM w0.102: v1(66.55,83.12) 66.82,82.85 67.08,82.85 67.18,82.95 67.18,83.58 66.97,83.79 62.42,83.79 61.98,83.35 61.98,82.75 61.51,82.28 59.75,82.28 59.28,82.75 59.28,85.07 59.17,85.18 52.02,85.18 51.92,85.07 51.92,84.14 51.48,83.7 51.48,82.35 50.51,81.38 28.85,81.38 28.45,81.78 28.45,82.47 28.35,82.58 25.08,82.58 24.98,82.47 24.98,80.08 24.48,79.58 24.08,79.58 23.73,79.23 23.73,74.68 23.83,74.58 U10.59
CLK_P11: length 47.2
  TOP w0.102: J2.100 50.73,82.95 50.63,82.85 49.77,82.85 v1(49.5,83.12)
  BOTTOM w0.102: v1(49.5,83.12) 49.77,82.85 50.32,82.85 50.58,83.11 50.58,83.78 50.48,83.88 23.98,83.88 23.68,83.58 23.68,80.65 23.31,80.28 22.18,80.28 21.92,80.02 21.92,75.22 21.74,75.04 20.08,73.38 20.08,72.99 20.34,72.73 20.48,72.73 20.58,72.83 U10.53
CLK_P12: length 37.8
  TOP w0.102: J2.148 38.73,82.95 38.63,82.85 36.75,82.85 v1(36.48,83.12)
  SIGNAL_L3 w0.081: v1(19.48,71.5) 19.23,71.25 18.81,71.25 18.69,71.37 18.69,78.92 21.12,81.35 22.35,81.35 24.88,83.88 32.36,83.88 32.37,83.87 32.95,83.87 32.96,83.88 32.97,83.88 32.97,83.88 36.88,83.88 37.28,83.48 37.28,83.05 37.1,82.86 36.73,82.86 v1(36.48,83.12)
  BOTTOM w0.102: U10.50 20.58,71.33 20.48,71.23 19.75,71.23 v1(19.48,71.5)
CLK_P13: length 26.3
  TOP w0.102: v1(21.6,83.1) 21.86,82.83 23.61,82.83 23.73,82.95 J2.208
  SIGNAL_L3 w0.081: v1(19.48,70) 19.23,69.75 18.26,69.75 17.68,70.33 17.68,79.41 19.55,81.28 19.98,81.28 21.21,82.51 21.21,83.41 21.45,83.65 21.94,83.65 22.25,83.34 22.25,82.93 22.17,82.85 21.85,82.85 v1(21.6,83.1)
  BOTTOM w0.102: v1(19.48,70) 19.75,69.73 20.48,69.73 20.58,69.83 U10.47
CLK_P14: length 39.6
  TOP w0.102: J2.160 35.73,82.95 35.63,82.85 30.85,82.85 v1(30.58,83.12)
  SIGNAL_L12 w0.081: v1(19.48,68.5) 19.23,68.25 18.51,68.25 17.78,68.98 17.78,79.01 20.78,82.01 20.78,83.01 21.69,83.92 30.74,83.92 31.25,83.41 31.25,83.02 31.1,82.86 30.83,82.86 v1(30.58,83.12)
  BOTTOM w0.102: U10.44 20.58,68.33 20.48,68.23 19.75,68.23 v1(19.48,68.5)
CLK_P15: length 28.3
  TOP w0.102: v1(19.71,83.12) 19.98,82.85 20.63,82.85 20.73,82.95 J2.220
  SIGNAL_L3 w0.081: v1(19.71,83.12) 19.96,82.86 20.1,82.86 20.25,83.02 20.25,83.54 20.01,83.78 19.45,83.78 18.45,82.78 17.98,82.78 16.58,81.38 16.58,68.75 18.58,66.75 19.23,66.75 v1(19.48,67)
  BOTTOM w0.102: U10.41 20.58,66.83 20.48,66.73 19.75,66.73 v1(19.48,67)
CLKIN_N0: length 57.5
  SIGNAL_L3 w0.081: P1.G16 75.02,31.7 70.23,31.7 69.95,31.98 69.95,56.68 69.52,57.11 66.72,57.11 64.12,59.71 62.82,59.71 v1(62.58,59.95)
  BOTTOM w0.102: C99.2 51.33,70.78 51.54,70.78 51.56,70.8 51.65,70.8 R67.2 52.25,71.03 52.55,70.73 52.76,70.73 53.04,70.45 53.04,67.46 58.11,62.38 59.31,62.38 61.99,59.7 62.32,59.7 v1(62.58,59.95)
CLKIN_N1: length 66.4
  SIGNAL_L12 w0.081: v1(55.58,53.35) 55.83,53.09 57.97,53.09 60.45,50.61 61.25,50.61 63.11,48.75 63.11,37.95 65.55,35.51 75.02,35.51 75.48,35.98
  BOTTOM w0.102: v1(55.58,53.35) 55.31,53.08 50.81,53.08 45.58,58.31 45.58,60.41 42.51,63.48 38.34,63.48 37.85,63.97 37.85,64.29 37.85,64.35 36.38,65.82 36.38,69.87 35.92,70.33 35.59,70.33 35.29,70.63 R94.2 34.28,70.63 C144.2
CLKIN_P0: length 57.4
  SIGNAL_L3 w0.081: v1(62.58,59.14) 62.82,59.38 63.98,59.38 66.58,56.78 69.38,56.78 69.62,56.54 69.62,31.84 70.09,31.36 75.02,31.36 75.48,30.9
  BOTTOM w0.102: v1(62.58,59.14) 62.32,59.39 61.87,59.39 59.18,62.08 57.99,62.08 52.73,67.34 52.73,70.33 52.63,70.43 52.55,70.43 52.25,70.13 R67.1 51.68,70.33 51.28,70.33 C100.2
CLKIN_P1: length 66.4
  SIGNAL_L12 w0.081: P1.G18 75.02,35.17 65.42,35.17 62.78,37.81 62.78,48.61 61.11,50.28 60.31,50.28 57.83,52.76 55.83,52.76 v1(55.58,52.51)
  BOTTOM w0.102: C145.2 34.28,69.73 R94.1 35.35,69.73 35.65,70.03 35.79,70.03 36.08,69.74 36.08,65.69 37.54,64.23 37.54,63.85 38.21,63.18 42.38,63.18 45.28,60.28 45.28,58.18 50.68,52.78 55.31,52.78 v1(55.58,52.51)